# Allegro board com_v1_p3.brd (continued)
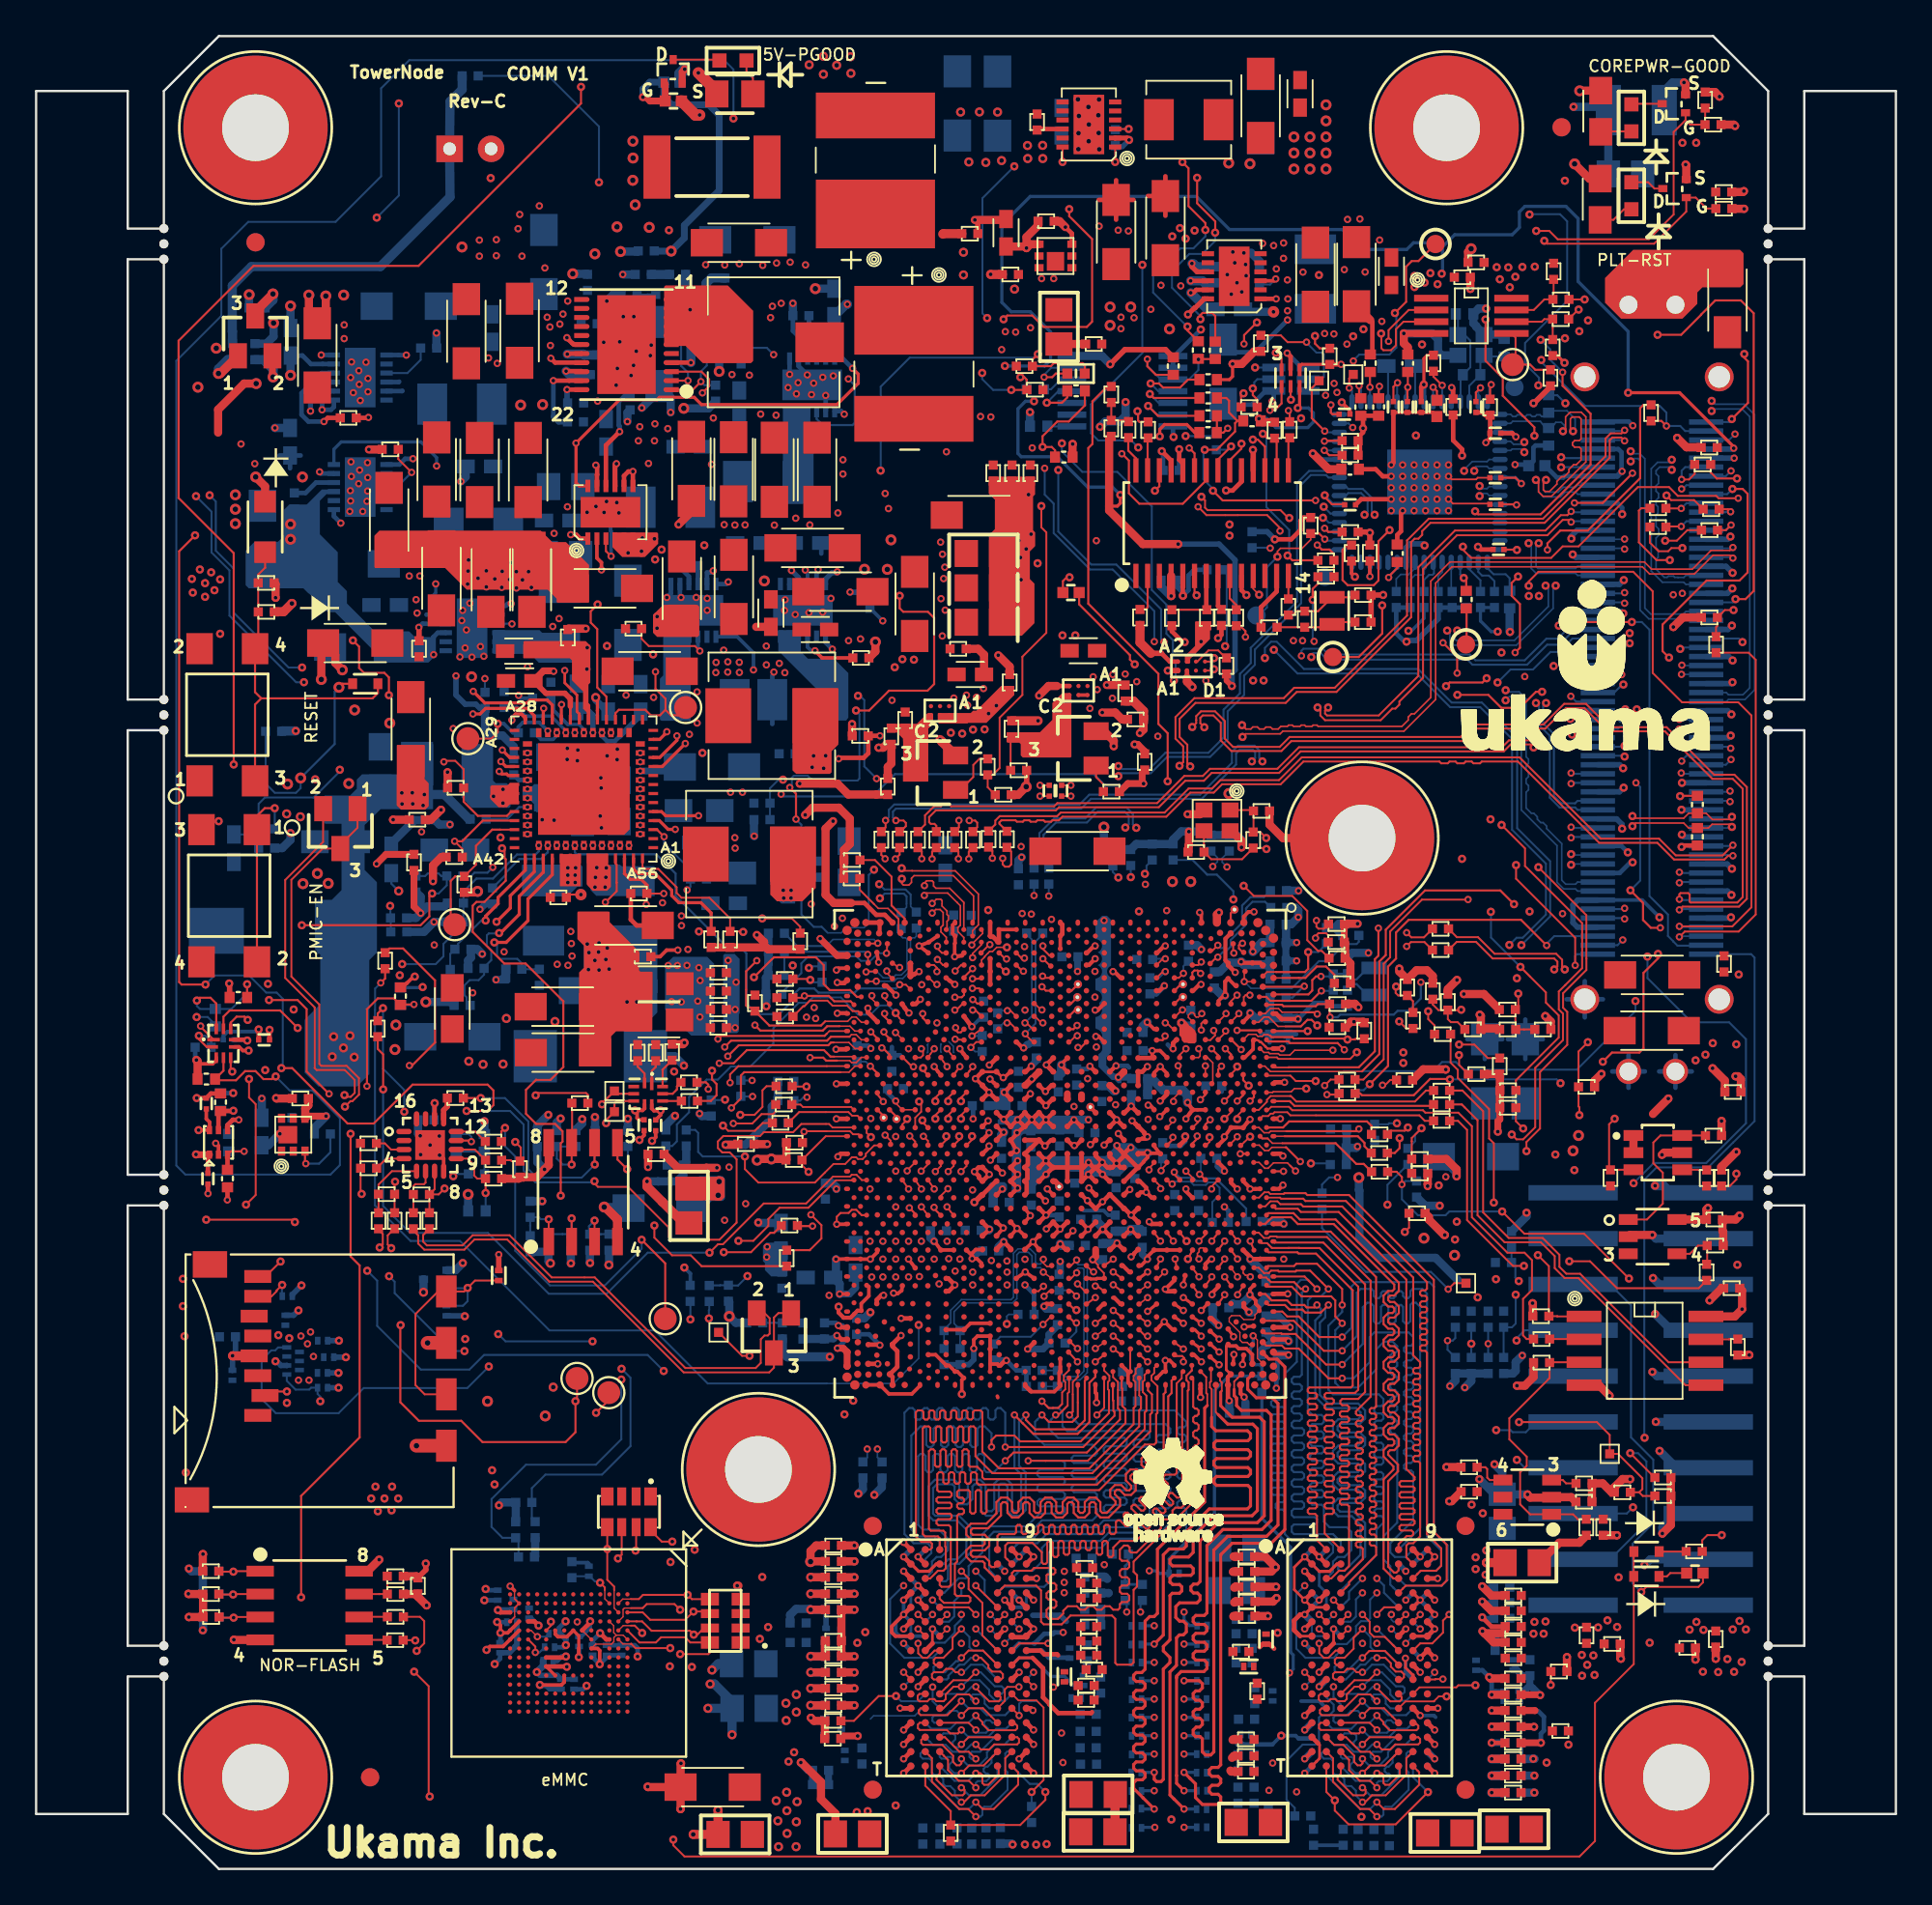
[diagram p0: board, top side]
## Placement (name value [footprint] x y rotation side) (continued)
C3N13  1UF  [SMC0402A]  48.07 43.25 90 bottom
C3N14  0.1UF  [SMC0402A]  55.12 40.91 180 bottom
C3N16  1UF  [SMC0402A]  53.49 40.28 180 bottom
C3N18  2.2UF  [SMC0402A]  55.15 37.69 180 bottom
C3N20  1UF  [SMC0402A]  43.74 37.13 0 bottom
C3N21  1UF  [SMC0402A]  53.93 36.95 90 bottom
C3N23  1UF  [SMC0402A]  50.45 35.38 90 bottom
C3N24  1UF  [SMC0402A]  51.49 35.4 270 bottom
C3N25  1UF  [SMC0402A]  41.33 32.19 0 bottom
C3N26  2.2UF  [SMC0603]  41.28 35.81 180 bottom
C3N27  2.2UF  [SMC0402A]  53.34 34.26 90 bottom
C3N28  22UF  [SMC0603]  42.65 32.79 270 bottom
C3N29  22UF  [SMC0603]  45.41 34.58 180 bottom
C3N30  0.1UF  [SMC0402A]  45.47 30.53 180 bottom
C3N31  0.1UF  [SMC0402A]  43.69 29.38 0 bottom
C4  0.1UFX  [SM_2_CAP-RES_0201_20H]  27.32 14.18 90 bottom
C4A10  1UF  [SMC0402A]  12.69 86.53 90 bottom
C4A11  1UF  [SMC0402A]  79.17 46.54 90 top
C4L4  10UF  [SMC0603]  14.1 85.41 180 bottom
C4L5  1UF  [SMC0402A]  30.55 88.39 180 bottom
C4L6  10UF  [SMC0603]  14.07 79.88 180 bottom
C4M2  10UF  [SMC1206]  15.71 72.34 270 bottom
C4M3  1UF  [SMC0402A]  14.31 75.39 0 bottom
C4M6  10UF  [SMC0805]  19.07 62.2 180 bottom
C4M7  10UF  [SMC1206]  19.85 67.73 90 bottom
C4M9  1UF  [SMC0402A]  26.47 60.65 0 bottom
C4M10  10UF  [SMC0805]  15.45 56.94 270 bottom
C4P5  47UF  [SMC1206]  67.86 95.93 0 bottom
C4P10  10UF  [SMC0603]  70.04 97.64 180 top
C4P18  10UF  [SMC0603]  56.81 97.62 180 bottom
C4P19  10UF  [SMC1206]  35.78 69.2 180 top
C4P21  0.1UF  [SMC0402A]  14.17 40.75 0 bottom
C4P23  1UF  [SMC0402A]  55.47 97.28 0 top
C4P24  22UF  [SMC0603]  12.5 40.12 0 bottom
C4P25  47UF  [SMC1206]  67.86 95.96 180 top
C5  0.1UFX  [SM_2_CAP-RES_0201_20H]  28.38 11.54 0 bottom
C6  0.1UFX  [SM_2_CAP-RES_0201_20H]  25.71 12.26 270 bottom
C7  0.1UFX  [SM_2_CAP-RES_0201_20H]  10.88 27.36 270 bottom
C18  1UFX_16V  [SMC0402A]  11.05 29.5 90 bottom
C27  0.1UFX  [SM_2_CAP-RES_0201_20H]  25.58 15.17 90 bottom
C31  0.1UFX  [SM_2_CAP-RES_0201_20H]  26.36 13.68 0 bottom
C34  0.1UFX  [SM_2_CAP-RES_0201_20H]  32.45 12.12 270 bottom
C37  0.1UFX  [SM_2_CAP-RES_0201_20H]  30.63 16.5 90 bottom
C39  0.1UFX  [SM_2_CAP-RES_0201_20H]  30.08 12.61 270 bottom
C42  0.1UFX  [SM_2_CAP-RES_0201_20H]  31.61 12.12 270 bottom
C69  0.1uF  [C0201]  33.69 41.23 270 top
C70  0.1uF  [C0201]  34.34 41.22 90 top
C91  0.1UFX  [SM_2_CAP-RES_0201_20H]  29.81 10.24 270 bottom
C92  0.1UFX  [SM_2_CAP-RES_0201_20H]  26.45 14.66 90 bottom
C129  1UFX_16V  [SMC0402A]  29.69 16.14 0 bottom
C134  0.1UFX  [SM_2_CAP-RES_0201_20H]  30.84 12.13 270 bottom
C139  0.1uF  [C0201]  10.67 45.97 0 bottom
C140  0.1uF  [C0201]  12.63 45.96 180 top
C151  0.1UFX  [SM_2_CAP-RES_0201_20H]  29.08 10.24 270 bottom
C164  10uF  [C0805]  45.24 1.94 0 top
C165  10uF  [C0805]  58.84 2.06 180 top
C167  0.1uF  [SMC0402A]  81.4 9.66 90 top
C168  0.1uF  [SMC0402A]  44.62 16.17 270 top
C169  0.1uF  [SMC0402A]  44.62 11.78 270 top
C170  0.1uF  [SMC0402A]  44.62 10.9 270 top
C171  0.1uF  [SMC0402A]  44.62 17.05 270 top
C172  0.1uF  [SMC0402A]  44.62 17.93 270 top
C175  0.1uF  [SMC0402A]  81.41 11.68 90 top
C176  0.1uF  [SMC0402A]  81.4 6.1 90 top
C177  0.1uF  [SMC0402A]  44.62 10.01 270 top
C180  0.1uF  [SMC0402A]  44.62 14.37 270 top
C181  10uF  [C0805]  82.35 16.98 180 top
C182  0.1uF  [SMC0402A]  58.19 11.05 90 top
C183  0.1uF  [SMC0402A]  57.89 12.63 90 top
C184  0.1uF  [SMC0402A]  81.4 10.56 90 top
C185  0.1uF  [SMC0402A]  81.4 5.17 90 top
C186  0.1uF  [SMC0402A]  57.9 15 90 top
C188  0.1uF  [SMC0402A]  57.89 15.85 90 top
C189  0.1uF  [SMC0402A]  44.62 9.07 270 top
C191  0.1uF  [SMC0402A]  57.89 13.43 90 top
C202  10uF  [C0805]  67.45 2.58 0 top
C203  10uF  [C0805]  58.85 4.13 180 top
C208  0.1uF  [SMC0402A]  81.4 4.23 90 top
C209  0.1uF  [SMC0402A]  67.53 17.32 270 top
C210  0.1uF  [SMC0402A]  81.41 12.56 90 top
C211  0.1uF  [SMC0402A]  81.4 8.78 90 top
C212  0.1uF  [SMC0402A]  67.53 16.48 270 top
C213  0.1uF  [SMC0402A]  67.54 15.64 270 top
C220  0.1uF  [SMC0402A]  57.66 16.69 90 top
C221  0.1uF  [SMC0402A]  81.41 13.44 90 top
C222  0.1uF  [SMC0402A]  81.4 7.89 90 top
C223  0.1uF  [SMC0402A]  57.89 11.84 90 top
C224  10uF  [C0805]  81.9 2.2 180 top
C228  0.1uF  [SMC0402A]  67.54 14.82 270 top
C230  0.1uF  [SMC0402A]  81.41 14.31 90 top
C231  0.1uF  [SMC0402A]  67.49 5.4 270 top
C232  0.1uF  [SMC0402A]  81.41 15.16 90 top
C233  0.1uF  [SMC0402A]  67.49 7.18 270 top
C234  0.1uF  [SMC0402A]  67.49 6.26 270 top
C235  0.1uF  [SMC0402A]  67.54 14.02 270 top
C236  0.1uF  [SMC0402A]  44.62 15.25 270 top
C243  10uF  [C0805]  39.51 8.9 0 bottom
C244  10uF  [C0805]  39.49 11.37 0 bottom
C248  0.1uF  [SMC0402A]  67.49 4.53 90 bottom
C249  0.1uF  [SMC0402A]  58.11 14.39 270 bottom
C250  0.1uF  [SMC0402A]  58.11 15.29 270 bottom
C252  0.1uF  [SMC0402A]  58.11 16.18 270 bottom
C253  0.1uF  [SMC0402A]  57.63 17.22 270 bottom
C256  0.1uF  [SMC0402A]  44.62 16.17 90 bottom
C257  0.1uF  [SMC0402A]  44.62 15.25 90 bottom
C258  0.1uF  [SMC0402A]  44.62 14.37 90 bottom
C259  0.1uF  [SMC0402A]  58.11 13.53 270 bottom
C262  0.1uF  [SMC0402A]  44.62 9.07 90 bottom
C264  10uF  [C0805]  66.54 17.78 0 bottom
C265  0.1uF  [SMC0402A]  43.92 5.47 90 bottom
C266  0.1uF  [SMC0402A]  44.62 11.78 90 bottom
C267  0.1uF  [SMC0402A]  44.62 10.01 90 bottom
C268  0.1uF  [SMC0402A]  44.59 7.22 270 top
C269  0.1uF  [SMC0402A]  44.62 12.65 270 top
C270  0.1uF  [SMC0402A]  44.62 10.9 90 bottom
C271  0.1uF  [SMC0402A]  43.91 4.68 90 bottom
C279  10uF  [C0805]  78.06 1.99 0 top
C280  10uF  [C0805]  66.51 15.43 0 bottom
C281  0.1uF  [SMC0402A]  68.28 3.42 180 bottom
C282  0.1uF  [SMC0402A]  67.49 3.64 90 bottom
C283  0.1uF  [SMC0402A]  57.86 7.62 270 bottom
C284  0.1uF  [SMC0402A]  57.86 8.57 270 bottom
C285  0.1uF  [SMC0402A]  57.86 6.71 270 bottom
C286  0.1uF  [SMC0402A]  57.88 5.81 270 bottom
C292  0.1uF  [SMC0402A]  80.77 15.62 270 bottom
C293  0.1uF  [SMC0402A]  80.77 14.76 270 bottom
C294  0.1uF  [SMC0402A]  80.77 13.89 270 bottom
C295  0.1uF  [SMC0402A]  81.4 6.99 270 bottom
C296  0.1uF  [SMC0402A]  81.4 6.1 270 bottom
C297  0.1uF  [SMC0402A]  67.39 13.04 90 bottom
C301  10uF  [C0805]  81.25 19.82 270 bottom
C308  0.1uF  [SMC0402A]  67.39 11.42 90 bottom
C309  0.1uF  [SMC0402A]  67.49 6.33 90 bottom
C310  0.1uF  [SMC0402A]  67.39 12.23 90 bottom
C311  0.1uF  [SMC0402A]  81.4 5.17 270 bottom
C313  0.1uF  [SMC0402A]  81.4 4.23 270 bottom
C314  0.1uF  [SMC0402A]  67.4 13.83 90 bottom
C315  0.1uF  [SMC0402A]  67.49 5.45 90 bottom
C324  47uF  [SMC1206]  35.71 4.54 90 top
C325  10uF  [C0805]  38.74 1.91 0 top
C342  0.1uF  [SMC0402A]  72.43 1.31 0 bottom
C343  0.1uF  [SMC0402A]  73.26 1.3 0 bottom
C344  0.1uF  [SMC0402A]  51.85 1.38 0 bottom
C345  0.1uF  [SMC0402A]  53.44 1.4 0 bottom
C346  0.1uF  [SMC0402A]  74.14 1.3 0 bottom
C347  0.1uF  [SMC0402A]  74.99 1.29 0 bottom
C348  0.1uF  [SMC0402A]  49.14 1.38 0 bottom
C349  0.1uF  [SMC0402A]  50.09 1.38 0 bottom
C350  0.1uF  [SMC0402A]  51.03 1.39 0 bottom
C351  0.1uF  [SMC0402A]  52.64 1.39 0 bottom
C352  0.1uF  [SMC0402A]  70.79 1.31 0 bottom
C1833  10NF  [SMC0402A]  47.94 53.01 180 bottom
C1918  0.1uF  [SMC0402A]  12.31 69.68 90 top
C1981  0.1uF  [SMC0402A]  77.38 52.11 90 top
C1982  0.1uF  [SMC0402A]  77.38 50.94 90 top
C1999  0.1uF  [SMC0402A]  47.85 56.61 180 top
C2000  0.1uF  [SMC0402A]  46.84 56.61 180 top
C2034  0.1uF  [SMC0402A]  93.08 92.04 90 top
C2036  0.1uF  [SMC0402A]  92.48 96.69 90 top
C2037  0.1uF  [SMC0402A]  86.22 20.35 270 top
C2038  0.1uF  [SMC0402A]  79.85 20.91 270 top
C2039  680pF  [SMC0402A]  79.85 22.27 270 top
C2040  1uF  [SMC0603]  10.96 57.34 180 bottom
C2130  15uF  [CC1210]  88.68 97.5 0 bottom
C2131  15uF  [CC0402]  83.16 77.79 0 bottom
C2132  15uF  [CC0402]  77.63 80.96 270 top
C2152  0.1uF  [SMC0402A]  27.77 40.04 0 bottom
C2153  10NF  [SMC0402A]  48.77 53.04 180 bottom
C2154  10NF  [SMC0402A]  55.3 55.48 180 bottom
C2155  10NF  [SMC0402A]  56.12 55.48 180 bottom
C2156  0.1uF  [SMC0402A]  53.8 56.63 180 top
C2157  0.1uF  [SMC0402A]  52.78 56.64 180 top
C2158  0.1uF  [SMC0402A]  92.56 36 90 top
C2159  0.1uF  [SMC0402A]  93.58 43.07 90 top
C4662  0.1uF  [SMC0402A]  21.16 15.25 180 top
C4671  1000PF  [SMC0402A]  20.91 37.39 90 top
C4672  1000PF  [SMC0402A]  18.98 37.4 90 top
C4745  0.1uF  [SMC0402A]  22.05 41.53 90 bottom
C4746  0.1uF  [SMC0402A]  60.53 17.45 90 bottom
C4747  0.1uF  [CC0402]  35.23 99.04 0 bottom
C4749  0.1uF  [SMC0402A]  59.05 84.53 270 top
C4750  0.1uF  [C0201]  9.52 38.26 270 top
C4751  0.1uF  [C0201]  9.43 42.43 90 top
C4752  SCCQ12E105PRB  [CAP_THR_0P6D]  24.06 95.35 0 bottom
CN1  112A-TAAR-R03_ATTEND  [MICROSD_ATTEND_NEW]  11.13 34.06 270 top
CR1L1  BAT54C  [SOT23]  12.14 84.98 0 top
D1  D5V0L2B3T  [SOT_P3_1_70X0_85_0_90MM]  22.12 32.69 270 bottom
D10089  PMEG3010ER,115  [SODFL3517X110N_NXP_AEE]  12.69 74.39 270 top
D10113  LED  [LED_LTST-C190]  88.4 92.75 90 top
D10115  LED  [LED_LTST-C190]  88.4 97.07 90 top
D10136  PMEG3002AEB  [SODFL1608X65N_AEE]  18.24 65.7 180 top
D10147  PMEG3002AEB  [SODFL1608X65N_AEE]  89.24 17.59 180 top
D10148  LED  [LED_LTST-C190]  38.62 100.25 180 top
D10149  PMEG3002AEB  [SODFL1608X65N_AEE]  89.23 16.22 180 top
J20  FX23-120P_COM  [CON_120P_44_00X9_20_13_15MM]  89.54 65.46 0 bottom
J3321  eJTAG Header  [CONN_20P_33_02X9_27_10_16MM]  88.92 26.05 0 bottom
L1D1  0.47UH  [SMI16_16AB]  63.87 96.97 0 top
L2A1  2.2UH  [SMI29_28]  40.87 84.63 0 top
L2B1  1.0UH  [SML28_28]  40.77 63.93 0 top
L2B2  1.0UH  [SML28_28]  39.52 56.26 0 top
L2L1  1UH  [SMI16_16AB]  70.89 88.13 270 bottom
L3M1  0.47UH  [SMI16_16AB]  40.54 76.91 180 bottom
L3M2  0.47UH  [SMI16_16AB]  35.16 75.48 0 bottom
L3M3  0.47UH  [SMI16_16AB]  29 69.35 90 bottom
L3M4  1UH  [SMI16_16AB]  42.45 64.82 180 bottom
L3M5  0.47UH  [SMI16_16AB]  37.06 64.82 0 bottom
L3M6  0.47UH  [SMI16_16AB]  33.12 53.11 270 bottom
L3M7  0.47UH  [SMI16_16AB]  28.12 53.11 270 bottom
L4L1  0.47UH  [SMI16_16AB]  23.6 81.2 0 bottom
L4M1  0.47UH  [SMI16_16AB]  24.51 74.31 0 bottom
L4M2  0.47UH  [SMI16_16AB]  22.84 61.21 0 bottom
MH1  Mounting_Hole  [MTG370_800]  12.16 5.08 0 top
MH2  Mounting_Hole  [MTG370_800]  78.16 96.52 0 top
MH3  Mounting_Hole  [MTG370_800]  12.16 96.52 0 top
MH4  Mounting_Hole  [MTG370_800]  90.9 5.08 0 top
MH5  Mounting_Hole  [MTG370_800]  40.03 22.14 0 top
MH6  Mounting_Hole  [MTG370_800]  73.48 57.14 0 top
NOREF  -  [unnamed]  95.98 11.52 0 top
NOREF#2  -  [unnamed#2]  46.36 4.39 0 top
NOREF#3  -  [unnamed]  7.08 38.48 0 top
NOREF#4  -  [unnamed]  7.08 89.23 0 top
NOREF#5  -  [unnamed]  95.98 37.63 0 top
NOREF#6  -  [unnamed]  7.08 36.78 0 top
NOREF#7  -  [unnamed]  95.98 63.12 0 top
NOREF#8  -  [#2]  41.7 43.45 0 top
NOREF#9  -  [unnamed]  95.98 12.37 0 top
NOREF#10  -  [#2]  0 98.55 0 top
NOREF#11  -  [unnamed]  95.98 90.08 0 top
NOREF#12  -  [unnamed#3]  18.51 5.08 0 top
NOREF#13  -  [#2]  12.16 5.08 0 top
NOREF#14  -  [unnamed]  95.98 36.78 0 top
NOREF#15  -  [unnamed]  95.98 64.82 0 top
NOREF#16  -  [unnamed]  95.98 63.97 0 top
NOREF#17  -  [#2]  7.08 98.55 0 top
NOREF#18  -  [unnamed]  95.98 89.23 0 top
NOREF#19  -  [unnamed#2]  79.21 4.39 0 top
NOREF#20  -  [#2]  10.13 0 90 top
NOREF#21  -  [unnamed]  7.08 64.82 0 top
NOREF#22  -  [unnamed]  7.08 90.08 0 top
NOREF#23  -  [unnamed#2]  79.21 19.01 0 top
NOREF#24  -  [unnamed]  7.08 12.37 0 top
NOREF#25  -  [unnamed]  95.98 10.67 0 top
NOREF#26  -  [unnamed]  7.08 11.52 0 top
NOREF#27  -  [unnamed#2]  46.36 19.01 0 top
NOREF#28  -  [unnamed]  7.08 63.97 0 top
NOREF#29  -  [#2]  12.16 96.52 0 top
NOREF#30  -  [unnamed#3]  84.53 96.55 0 top
NOREF#31  -  [unnamed]  95.98 90.93 0 top
NOREF#32  -  [unnamed]  7.08 37.63 0 top
NOREF#33  -  [unnamed]  7.08 10.67 0 top
NOREF#34  -  [unnamed]  95.98 38.48 0 top
NOREF#35  -  [unnamed#3]  12.16 90.17 0 top
NOREF#36  -  [unnamed]  7.08 63.12 0 top
NOREF#37  -  [#2]  12.16 5.08 90 top
NOREF#38  -  [unnamed]  7.08 90.93 0 top
NOREF#39  -  [unnamed#2]  46.36 19.01 180 bottom
NOREF#40  -  [unnamed#3]  18.51 5.08 180 bottom
NOREF#41  -  [unnamed#2]  46.36 4.39 180 bottom
NOREF#42  -  [unnamed#3]  84.53 96.55 180 bottom
NOREF#43  -  [unnamed#3]  12.16 90.17 180 bottom
NOREF#44  -  [unnamed#2]  79.21 4.39 180 bottom
NOREF#45  -  [unnamed#2]  79.21 19.01 180 bottom
NR4  100K  [CA_3_20X1_60_0_50MM]  32.85 19.8 270 top
NR5  100K  [CA_3_20X1_60_0_50MM]  38.19 13.75 180 top
Q1D1  FDMA507PZ  [MICROFET6_2X2_P65MM_EP]  14.25 40.7 0 top
Q2B1  MMBT3904  [SOT23]  49.85 60.77 90 top
Q2N1  FDG6301N  [SC70_6P]  69.54 82.58 0 bottom
Q3A1  FDMA507PZ  [MICROFET6_2X2_P65MM_EP]  56.49 89.41 90 top
Q3B1  MMBT3904  [SOT23]  57.64 62.12 90 top
Q40  MMBT3904  [SOT23]  40.89 29.71 180 top
Q41  MMBT3904  [SOT23]  16.86 57.67 180 top
Q135  DMG1012T-7  [SOT523_3P_1_70X0_85_0_90MM]  90.79 93.15 90 top
Q137  DMG1012T-7  [SOT523_3P_1_70X0_85_0_90MM]  90.75 97.85 90 top
Q138  DMG1012T-7  [SOT523_3P_1_70X0_85_0_90MM]  35.3 99.65 0 top
R1A1  2.2K  [SMC0402A]  79.53 30.91 180 bottom
R1A2  2.2K  [SMC0402A]  80.47 30.91 180 bottom
R1A3  10K  [SMC0402A]  26.58 20.32 270 bottom
R1A4  10K  [SMC0402A]  34.9 40.96 180 bottom
R1A5  10K  [SMC0402A]  81.32 30.91 180 bottom
R1A6  10K  [SMC0402A]  26.57 19.24 180 bottom
R1A7  10K  [SMC0402A]  81.32 28.35 180 bottom
R1A8  10K  [SMC0402A]  79.53 28.35 180 bottom
R1A9  10K  [SMC0402A]  80.47 28.35 180 bottom
R1A10  4.7K  [SMC0402A]  27.66 19.25 180 bottom
R1A11  10K  [SMC0402A]  26.73 17.29 270 bottom
R1A12  10K  [SMC0402A]  34.97 39.02 270 bottom
R1A14  2.2K  [SMC0402A]  78.65 30.91 180 bottom
R1A15  10K  [SMC0402A]  78.65 28.35 180 bottom
R1B2  66.5K  [SMC0402A]  20.07 78.69 270 top
R1B8  1.8K  [SMC0402A]  22.8 59.93 90 top
R1B14  1.8K  [SMC0402A]  22.73 56.09 90 top
R1B19  10K  [SMC0402A]  42.34 50.98 180 top
R1B23  1.8K  [SMC0402A]  41.58 40.26 90 top
R1B24  1.8K  [SMC0402A]  41.55 39.3 90 top
R1B29  1.8K  [SMC0402A]  32.79 40.94 180 bottom
R1B30  1.8K  [SMR0402A]  30.98 40.93 180 bottom
R1B31  1.8K  [SMR0402A]  54.32 83.3 90 top
R1B32  1.8K  [SMR0402A]  55.79 82 270 top
R1L1  1K  [SMC0402A]  10.88 84.56 180 bottom
R1L2  0  [SMC0402A]  12.13 84.55 180 bottom
R1L3  0  [SMR0402A]  24.5 99.4 90 bottom
R1N4  3.3K  [SMC0402A]  94.3 29.37 0 top
R1N17  3.3K  [SMC0402A]  83.83 30.64 270 top
R1P17  10K  [SMC0402A]  47.19 60.45 0 top
R1P28  10K  [SMC0402A]  20.94 55.35 180 top
R1P29  10K  [SMC0402A]  21.05 54.15 0 bottom
R1P30  10K  [SMC0402A]  27.61 62.98 90 bottom
R2A1  10K  [SMC0402A]  84.09 88.12 180 top
R2A3  10K  [SMC0402A]  84.04 84.78 0 top
R2A5  10K  [SMC0402A]  83.92 82.21 180 top
R2A13  0  [SMC0402A]  59.58 82.18 0 top
R2A14  0  [SMC0402A]  64.89 72.02 270 bottom
R2A15  0  [SMC0402A]  62.94 69.8 0 top
R2A16  0  [SMC0402A]  61.62 80.21 0 top
R2A17  10K  [SMC0402A]  59.58 79.41 180 top
R2A18  0  [SMC0402A]  92.8 77.86 270 top
R2A19  0  [SMR0402A]  72.2 42.99 90 top
R2A20  0  [SMR0402A]  72.2 43.76 90 top
R2A21  0  [SMR0402A]  19.34 49.9 180 top
R2A22  0  [SMR0402A]  18.93 46.13 180 top
R2A23  0  [SMR0402A]  72.21 42.99 270 bottom
R2A24  0  [SMR0402A]  89.49 81.16 0 top
R2A25  0  [SMR0402A]  23.96 38.53 270 bottom
R2B1  60.4K  [SMC0402A]  45.26 67.13 90 top
R2B2  53.6K  [SMC0402A]  33.55 68.75 270 top
R2B4  1K  [SMC0402A]  45.23 62.81 90 top
R2B6  20K  [SMC0402A]  47.39 62.34 180 top
R2B8  20K  [SMC0402A]  54.89 60.9 270 top
R2B10  1K  [SMC0402A]  52.73 60.65 180 top
R2B12  20K  [SMC0402A]  54.04 59.54 270 top
R2B15  0  [SMC0402A]  45.66 55.92 270 top
R2B19  0  [SMC0402A]  45.64 54.91 270 top
R2B22  100  [SMC0402A]  29.38 53.85 270 top
R2B25  73.2  [SMC0402A]  38.46 51.08 180 top
R2B27  73.2  [SMC0402A]  76.5 37.24 0 bottom
R2B29  73.2  [SMC0402A]  37.41 51.08 180 top
R2B31  100  [SMC0402A]  34.07 50.57 270 top
R2B32  10K  [SMC0402A]  41.05 49.33 90 top
R2B33  4.7K  [SMC0402A]  39.83 48.44 0 top
R2B34  4.7K  [SMC0402A]  41.05 48.29 90 top
R2B36  0  [SMC0402A]  29.46 68.7 0 top
R2B38  10K  [SMC0402A]  80.26 44.06 270 top
R2B39  10K  [SMC0402A]  81.1 44.06 180 top
R2B43  20K  [SMC0402A]  65.18 35.84 270 bottom
R2B44  20K  [SMC0402A]  64.54 39.39 270 bottom
R2B45  20K  [SMC0402A]  67.05 35.89 270 bottom
R2C1  4.7K  [SMC0402A]  41.05 47.25 90 top
R2C9  33  [SMC0402A]  41.88 42.37 270 top
R2C12  33  [SMC0402A]  41.69 41.36 270 top
R2C25  100K  [SMC0402A]  45.82 22.56 180 bottom
R2C26  100K  [SMC0402A]  46.88 22.56 180 bottom
R2L12  53.6K  [SMC0402A]  67.79 87.83 0 bottom
R2M24  10K  [SMR0402A]  80.81 70.81 180 bottom
R2M25  10K  [R0402]  73.41 81.04 90 top
R2M26  0  [SMR0402A]  71.03 72.54 90 top
R2M27  127E  [SMR0402A]  72.9 73.39 0 top
R2M28  10K  [SMR0402A]  76.14 69.92 0 bottom
R2M29  1M  [R0402]  79.55 82.83 0 bottom
R2M30  10K  [SMR0402A]  80.04 70.81 180 bottom
R2M31  150  [SMC0402A]  63.01 55.93 0 bottom
R2M32  47.5  [SMC0402A]  61.85 55.93 0 bottom
R2M33  150  [SMC0402A]  60.66 55.62 0 bottom
R2M34  4.02K  [SMC0402A]  59.67 55.59 0 bottom
R2M35  402  [SMC0402A]  55.78 51.88 90 bottom
R2M36  100K  [SMC0402A]  68.4 54.23 270 bottom
R2M37  10K  [SMR0402A]  78.53 80.59 180 top
R2M38  100K  [SMC0402A]  68.42 53.3 270 bottom
R2M39  100K  [SMC0402A]  61.88 50.41 90 bottom
R2M40  1.24K  [SMC0402A]  63.86 50.32 0 bottom
R2M41  100K  [SMC0402A]  61.72 49.4 180 bottom
R2M42  10K  [SMR0402A]  72.37 74.11 90 top
R2M43  10M  [SMC0402A]  71.88 48.72 0 bottom
R2M44  3.3K  [SMC0402A]  82.98 28.07 90 top
R2M45  1.24K  [SMC0402A]  63.98 47.6 180 bottom
R2M46  10K  [SMR0402A]  77.43 83.91 0 top
R2M47  10K  [SMR0402A]  78.47 69.92 0 bottom
R2M48  10K  [SMR0402A]  70.63 74.02 180 top
R2M49  10K  [R0402]  81.65 70.37 90 bottom
R2M50  10K  [SMR0402A]  73.91 73.39 0 top
R2M51  10K  [R0402]  73.93 83.47 270 top
R2M52  10K  [SMR0402A]  72.37 79.17 90 top
R2M53  10K  [R0402]  74.4 81.04 90 top
R2M54  10K  [SMR0402A]  73.26 78.37 270 top
R2M55  10K  [SMR0402A]  79.25 70.81 180 bottom
R2M56  10K  [SMR0402A]  75.37 69.92 0 bottom
R2M57  10K  [SMR0402A]  77.69 69.92 0 bottom
R2M58  10K  [SMR0402A]  76.91 70.81 180 bottom
R2M59  4.99K  [SMR0402A]  80.57 81.47 0 top
R2M60  0  [SMR0402A]  71.04 71.63 90 top
R2M61  10K  [SMR0402A]  67.38 74.13 180 bottom
R2N1  10K  [SMC0402A]  65.7 43.4 90 bottom
R2N2  10K  [SMC0402A]  74.17 40.39 0 bottom
R2N5  100  [SMC0402A]  62.43 39.37 0 bottom
R2N6  0  [SMC0402A]  76.02 39.94 180 bottom
R2N7  49.9  [SMC0402A]  72.6 39.05 90 bottom
R2N12  162  [SMC0402A]  57.02 29.15 90 bottom
R2N13  90.9  [SMC0402A]  56.59 26.75 0 bottom
R2N14  29.4  [SMC0402A]  53.04 29.1 180 bottom
R2N15  44.2  [SMC0402A]  55.76 26.75 90 bottom
R2N16  44.2  [SMC0402A]  55.76 27.63 90 bottom
R2N18  10K  [SMC0402A]  65.1 56.42 0 bottom
R2N19  10K  [SMC0402A]  66.12 56.42 0 bottom
R2N20  10K  [SMC0402A]  40.58 51.87 270 bottom
R2N21  10K  [SMC0402A]  40.57 49.53 270 bottom
R2N24  0  [SMC0402A]  41.01 43.39 90 top
R2N25  0  [SMC0402A]  67.67 81.04 270 top
R2N26  0  [SMR0402A]  43.55 50.04 180 bottom
R3A5  20K  [SMC0402A]  55.52 91.34 90 top
R3A17  0  [SMC0402A]  64.88 68.91 180 top
R3A18  10M  [SMC0402A]  70.3 68.83 180 top
R3A19  33  [SMC0402A]  65.4 79.56 180 bottom
R3A20  4.7K  [SMC0402A]  40.58 50.85 270 bottom
R3B3  20K  [SMC0402A]  61.43 61.81 0 top
R3B4  1K  [SMC0402A]  60.03 59.72 270 top
R3B5  1M  [SMC0402A]  67.45 57.48 0 top
R3B8  45.3  [SMC0402A]  72.41 51.75 270 bottom
R3B9  0  [SMC0402A]  76.3 47.48 0 top
R3B10  0  [SMC0402A]  72.54 50.49 270 top
R3B11  10K  [SMC0402A]  75.99 48.42 180 top
R3B12  1K  [SMC0402A]  72.51 52.38 270 top
R3B13  1K  [SMC0402A]  72.49 51.37 270 top
R3B14  45.3  [SMC0402A]  71.94 49.1 90 top
R3B15  1K  [SMC0402A]  89.7 21.7 90 top
R3B16  4.7K  [SMC0402A]  67.87 84.12 180 top
R3B17  10K  [SMC0402A]  71.67 47.94 90 top
R3B19  0  [SMC0402A]  29.69 42.45 90 top
R3B20  0  [SMC0402A]  92.29 74.21 90 top
R3B21  0  [SMC0402A]  89.43 74.38 90 top
R3B22  0  [SMC0402A]  92.57 33.51 0 top
R3B23  0  [SMC0402A]  92.57 38.75 0 top
R3C1  4.7K  [SMC0402A]  68.63 80.2 0 top
R3C5  1K  [SMC0402A]  73.6 46.02 180 top
R3C8  2.2K  [SMC0402A]  75.39 43.73 90 top
R3C10  20  [SMC0402A]  74 40.72 90 top
R3C12  16.9  [SMC0402A]  73.99 39.68 90 top
R3C14  4.7K  [SMC0402A]  77.12 39.35 270 top
R3C16  20  [SMC0402A]  74 38.65 90 top
R3C17  2.2K  [SMC0402A]  76.23 38.56 90 top
R3C18  10K  [SMC0402A]  86.36 43.35 270 top
R3C19  20K  [SMC0402A]  76.08 36.35 90 top
R3C20  10K  [SMC0402A]  82 42.2 270 top
R3L4  1K  [SMC0402A]  35.99 88.39 90 bottom
R3L6  0  [SMC0402A]  36.25 87.29 270 bottom
R3L7  1K  [SMC0402A]  34.34 87.28 270 bottom
R3L8  36K  [SMC0402A]  31.94 86.15 180 bottom
R3L9  200K  [SMC0402A]  30.21 85.66 270 bottom
R3L11  200K  [SMC0402A]  30.71 82.83 270 bottom
R3L12  73.2K  [SMC0402A]  37.15 83.87 0 bottom
R3L13  120K  [SMC0402A]  29.45 80.22 270 bottom
R3L14  1K  [SMC0402A]  29.45 81.26 270 bottom
R3L15  10K  [SMC0402A]  37.66 82.25 180 bottom
R3L16  60.4K  [SMC0402A]  39.07 84.32 180 bottom
R3M1  53.6K  [SMC0402A]  31.84 74.62 90 bottom
R3M4  100K  [SMC0402A]  40.67 59.08 90 bottom
R3M5  10K  [SMC0402A]  39.78 58.16 270 bottom
R3M7  100K  [SMC0402A]  27.89 49.87 180 bottom
R3M10  10K  [SMC0402A]  40.44 48.48 270 bottom
R3M11  0  [SMC0402A]  25.29 54.38 180 bottom
R3N6  49.9  [SMC0402A]  45.49 45.64 180 bottom
R3N7  402  [SMC0402A]  52.43 45.31 0 bottom
R3N8  402  [SMC0402A]  53.29 46.57 0 bottom
R3N14  402  [SMC0402A]  39.05 42.83 0 bottom
R3N15  49.9  [SMC0402A]  41.99 42.59 90 bottom
R3N16  49.9  [SMC0402A]  37.41 42.62 180 bottom
R3N20  49.9  [SMC0402A]  36.03 40.08 0 bottom
R3N24  0  [SMC0402A]  41.35 29.38 0 bottom
R3N25  4.7K  [SMC0402A]  40.27 30.27 90 bottom
R3N26  4.7K  [SMC0402A]  42.5 30.26 180 bottom
R3N27  90.9  [SMC0402A]  50.31 29.84 270 bottom
R3N28  44.2  [SMC0402A]  50.31 28.84 180 bottom
R3N29  44.2  [SMC0402A]  51.2 28.84 180 bottom
R3N30  23.2  [SMC0402A]  54.41 30.74 270 bottom
R4A12  1K  [SMC0402A]  81.99 46.54 270 top
R4A13  1K  [SMC0402A]  77.4 48.21 180 top
R4A14  9.1K  [SMC0402A]  81.09 47.64 90 top
R4A15  9.1K  [SMC0402A]  78.23 48.49 0 top
R4L2  53.6K  [SMC0402A]  21.31 84.31 270 bottom
R4M6  60.4K  [SMC0402A]  24.88 65.22 180 bottom
R4M9  0  [SMC0402A]  24.94 58.2 90 bottom
R4M12  0  [SMC0402A]  22.76 55.04 270 bottom
R4M14  10K  [SMC0402A]  22.79 53.54 270 bottom
R4M17  100K  [SMC0402A]  23.68 52.5 90 bottom
R4M18  10K  [SMC0402A]  24.1 50.98 90 bottom
R4M19  10K  [SMC0402A]  23.94 49.92 270 bottom
R4M20  100K  [SMC0402A]  22.95 49.86 180 bottom
R4M21  100K  [SMC0402A]  24.05 47.87 90 bottom
R4M22  10K  [SMC0402A]  26.03 49.88 270 bottom
R4M23  10K  [SMC0402A]  20.53 52.72 90 bottom
R4M24  100K  [SMC0402A]  19.66 51.95 270 bottom
R4P6  53.6K  [SMC0402A]  59.81 96.41 180 bottom
R4P11  20K  [SMC0402A]  15.42 40.74 270 bottom
R10  10K  [SM_2_CAP-RES_0201_20H]  15.88 29.28 0 bottom
R11  10K  [SM_2_CAP-RES_0201_20H]  16.22 28.37 0 bottom
R12  10K  [SM_2_CAP-RES_0201_20H]  15.87 27.5 0 bottom
R20  10K  [SM_2_CAP-RES_0201_20H]  13.92 31.75 0 bottom
R21  10K  [SM_2_CAP-RES_0201_20H]  13.81 30.41 90 bottom
R22  10K  [SM_2_CAP-RES_0201_20H]  15.88 26.68 0 bottom
R36  4.7K  [SM_2_CAP-RES_0201_20H]  28.45 12.29 180 bottom
R39  4.7K  [SM_2_CAP-RES_0201_20H]  28.7 13.04 180 bottom
R55  0 OHM  [SMC0402A]  93.08 13.19 0 top
R185  0R DNF  [SM_2_CAP-RES_0201_20H]  25.64 32.89 270 top
R211  1K  [SMR0402A]  9.7 45.55 90 bottom
R267  0.1uF  [SM_2_CAP-RES_0201_20H]  81.86 11.31 270 bottom
R268  20.0k  [SMC0402A]  82.78 10.71 0 bottom
R269  0.1uF  [SM_2_CAP-RES_0201_20H]  79.79 11.29 90 bottom
R270  20.0k  [SMC0402A]  80.85 12.11 0 bottom
R296  0.1uF  [SM_2_CAP-RES_0201_20H]  67.03 7.45 180 bottom
R297  0.1uF  [SM_2_CAP-RES_0201_20H]  68.52 9.59 270 bottom
R298  20.0k  [SMC0402A]  66.63 8.3 270 bottom
R299  20.0k  [SMC0402A]  67.53 9.16 0 bottom
R301  240.0  [SMC0402A]  69.75 2.94 270 bottom
R346  0.1uF  [SM_2_CAP-RES_0201_20H]  67.2 11.22 180 top
R350  20.0k  [SMC0402A]  66.32 12.04 90 top
R351  20.0k  [SMC0402A]  67.67 10.3 0 top
R352  0.1uF  [SM_2_CAP-RES_0201_20H]  68.15 12.74 270 top
R375  240.0  [SMC0402A]  83.94 10.95 90 top
R384  0  [SMC0402A]  67.92 26.43 0 bottom
R421  0.1uF  [SM_2_CAP-RES_0201_20H]  82.19 9.58 90 bottom
R422  0.1uF  [SM_2_CAP-RES_0201_20H]  81.37 9.57 270 bottom
R423  20.0k  [SMC0402A]  84.91 7.65 270 top
R424  20.0k  [SMC0402A]  82.28 6.99 270 top
R476  0.1uF  [SM_2_CAP-RES_0201_20H]  58.04 10.44 270 bottom
R480  0.1uF  [SM_2_CAP-RES_0201_20H]  57.27 11.96 270 bottom
R481  20.0k  [SMC0402A]  58.99 9.75 0 bottom
R482  20.0k  [SMC0402A]  58.25 11.53 0 bottom
R542  20.0k  [SMC0402A]  45.77 6.71 180 bottom
R546  0.1uF  [SM_2_CAP-RES_0201_20H]  44.62 7.47 90 bottom
R547  0.1uF  [SM_2_CAP-RES_0201_20H]  44.81 6.29 90 bottom
R548  20.0k  [SMC0402A]  43.7 8.25 180 bottom
R562  240.0  [SMC0402A]  44.6 8.21 270 top
R614  0.1uF  [SM_2_CAP-RES_0201_20H]  43.77 13.06 90 bottom
R615  0.1uF  [SM_2_CAP-RES_0201_20H]  44.61 13.02 270 bottom
R616  20.0k  [SMC0402A]  41.78 13.63 270 bottom
R617  20.0k  [SMC0402A]  42.67 12.55 90 bottom
R618  0  [R0402]  57.63 81.94 0 top
R619  0  [R0402]  65.34 84.18 90 top
R620  10K  [R0402]  56.95 78.26 0 top
R622  0  [R0402]  64.95 80.55 180 top
R623  0  [R0402]  64.95 81.54 180 top
R624  10K  [R0402]  64.95 82.56 0 top
R625  10K  [R0402]  64.94 79.62 0 top
R626  10K  [R0402]  67.38 80.27 180 top
R627  0  [EIA-0402]  57.63 82.89 0 top
R639  20.0k  [SMC0402A]  57.75 10.16 90 top
R640  0.1uF  [SM_2_CAP-RES_0201_20H]  57.64 9.47 0 bottom
R641  0.1uF  [SM_2_CAP-RES_0201_20H]  56.99 10.65 270 top
R642  20.0k  [SMC0402A]  58.63 9.37 270 top
R647  240.0  [SMC0402A]  55.17 3.46 180 bottom
R658  220  [SMC0402A]  50.68 1.55 180 top
R1352  100K  [SMC0402A]  9.24 16.51 90 top
R1353  100K  [SMC0402A]  9.25 13.97 90 top
R1354  100K  [SMC0402A]  9.24 15.24 90 top
R1355  10K  [SMC0402A]  10.13 16.5 90 bottom
R1356  10K  [SMC0402A]  10.14 13.97 90 bottom
R1357  10K  [SMC0402A]  10.13 15.24 90 bottom
R1358  10K  [SMC0402A]  20.35 15.24 270 top
R1359  100K  [SMC0402A]  19.46 16.23 90 top
R1360  0E  [SMC0402A]  19.45 12.68 90 top
R1361  0E  [SMC0402A]  19.47 13.98 90 top
R1750  0E  [SMC0402A]  20.91 36.37 0 top
R1751  0E  [SMC0402A]  21.8 36.37 0 top
R1752  0E  [SMC0402A]  18.98 36.37 0 top
R1753  0E  [SMC0402A]  19.87 36.37 0 top
R10373  10K  [SMC0402A]  13.2 71.29 270 top
R10375  0  [SMC0402A]  92.33 17.6 270 top
R10378  1K  [SMC0402A]  81.11 43.16 90 top
R10388  10K  [SMC0402A]  13.61 63.06 90 bottom
R10550  22  [SMC0402A]  41.59 34.3 0 top
R10551  22  [SMC0402A]  42.19 35.67 270 top
R10552  10K  [SMC0402A]  38.36 32.36 180 bottom
R10557  20K  [SMC0402A]  81.76 34.45 0 bottom
R10603  0  [SMC0402A]  69.39 69.51 180 top
R10605  0  [SMC0402A]  60.53 80.23 0 top
R10606  0  [SMC0402A]  61.17 68.93 180 top
R10607  0  [SMC0402A]  66.51 68.91 180 top
R10608  0  [SMC0402A]  69.47 80.22 0 top
R10609  0  [SMC0402A]  68.77 68.83 270 top
R10610  0  [SMC0402A]  65.68 68.93 180 top
R10709  10K  [SMC0402A]  33.37 89.69 270 bottom
R10762  22  [SMC0402A]  77.44 43.15 90 top
R10763  22  [SMC0402A]  77.44 42.38 90 top
R10764  22  [SMC0402A]  82.98 29.37 90 top
R10765  22  [SMC0402A]  77.44 41.47 90 top
R10781  120  [SMC0805]  86.67 93.7 0 top
R10782  100K  [SMC0402A]  93.96 92.96 270 top
R10787  120  [SMC0805]  86.7 98.58 0 top
R10788  100K  [SMC0402A]  92.49 98.5 0 top
R10803  10K  [SMC0402A]  86.22 21.37 270 top
R10805  100K  [SMC0402A]  85.9 18.5 180 top
R10806  100E  [SMC0603]  19.68 55.2 0 bottom
R10809  10K  [SMC0402A]  13.22 56.59 90 bottom
R10811  20K  [SMC0402A]  80.87 33.62 270 bottom
R11021  0  [SMC0402A]  71.26 36.57 0 bottom
R11022  0  [SMC0402A]  78.38 46.27 270 top
R11023  10K  [SMC0402A]  87.46 20.88 90 top
R11024  10K  [SMC0402A]  89.7 20.67 90 top
R11130  127E  [SMC0402A]  65.96 67.13 0 top
R11131  127E  [SMC0402A]  71.69 83.4 180 top
R11132  10E  [SMC0402A]  84.04 85.91 90 top
R11133  10E  [SMC0402A]  84.05 87 90 top
R11144  10K  [SMC0402A]  23.73 54.13 180 top
R11145  0E  [RC2512]  37.46 94.34 180 top
R11154  10K  [SMC0402A]  37.15 54.88 90 bottom
R11155  100K  [SMC0402A]  32.95 54.07 90 top
R11156  0  [SMC0402A]  36.62 43.6 270 top
R11157  0  [SMC0402A]  36.65 42.57 270 top
R11160  100K  [SMC0402A]  29.63 34.3 0 bottom
R11161  100K  [SMC0402A]  30.68 34.29 0 bottom
R11162  10K  [SMC0402A]  28.4 35.19 180 bottom
R11163  10K  [SMC0402A]  31.75 35.19 180 bottom
R11165  22  [SMC0402A]  36.25 32.35 180 bottom
R11166  22  [SMC0402A]  37.3 32.34 180 bottom
R11221  100K  [SMC0402A]  29.91 40.04 0 bottom
R11222  10K  [SMC0402A]  28.85 40.93 180 bottom
R11223  100K  [SMC0402A]  27.38 37.01 180 bottom
R11224  10K  [SMC0402A]  27.38 35.1 180 bottom
R11231  0  [SMC0402A]  12.33 57.65 270 bottom
R11232  36E  [SM_2_CAP-RES_0201_20H]  60.98 10.44 180 bottom
R11233  36E  [SM_2_CAP-RES_0201_20H]  64.59 2.31 0 bottom
R11234  36E  [SM_2_CAP-RES_0201_20H]  64.58 3.31 0 bottom
R11235  36E  [SM_2_CAP-RES_0201_20H]  64.61 7.39 0 bottom
R11236  36E  [SM_2_CAP-RES_0201_20H]  64.58 5.34 0 bottom
R11237  36E  [SM_2_CAP-RES_0201_20H]  60.97 4.32 180 bottom
R11238  36E  [SM_2_CAP-RES_0201_20H]  60.98 6.35 180 bottom
R11239  36E  [SM_2_CAP-RES_0201_20H]  64.58 9.41 0 bottom
R11240  36E  [SM_2_CAP-RES_0201_20H]  64.61 13.49 0 bottom
R11241  36E  [SM_2_CAP-RES_0201_20H]  64.61 11.45 0 bottom
R11242  36E  [SM_2_CAP-RES_0201_20H]  63.06 16.38 0 bottom
R11243  36E  [SM_2_CAP-RES_0201_20H]  60.97 8.39 180 bottom
R11244  36E  [SM_2_CAP-RES_0201_20H]  64.6 4.34 0 bottom
R11245  36E  [SM_2_CAP-RES_0201_20H]  64.59 6.37 0 bottom
R11246  36E  [SM_2_CAP-RES_0201_20H]  60.98 7.38 180 bottom
R11247  36E  [SM_2_CAP-RES_0201_20H]  64.59 8.4 0 bottom
R11248  36E  [SM_2_CAP-RES_0201_20H]  64.6 10.42 0 bottom
R11249  36E  [SM_2_CAP-RES_0201_20H]  60.98 9.41 180 bottom
R11250  36E  [SM_2_CAP-RES_0201_20H]  60.96 13.47 180 bottom
R11251  36E  [SM_2_CAP-RES_0201_20H]  60.98 11.44 180 bottom
R11252  36E  [SM_2_CAP-RES_0201_20H]  64.6 12.47 0 bottom
R11253  36E  [SM_2_CAP-RES_0201_20H]  60.96 12.44 180 bottom
R11254  36E  [SM_2_CAP-RES_0201_20H]  60.97 3.35 180 bottom
R11255  36E  [SM_2_CAP-RES_0201_20H]  60.98 2.27 180 bottom
R11256  0E  [SMC0402A]  24.89 40.32 90 top
R11257  36E  [SM_2_CAP-RES_0201_20H]  60.96 5.34 180 bottom
R11259  22  [SMC0402A]  92.38 75.38 90 top
R11260  22  [SMC0402A]  89.43 75.43 90 top
R11261  10K  [SM_2_CAP-RES_0201_20H]  22.73 30.94 270 bottom
R11262  10K  [SMC0402A]  93.09 67.42 180 top
R11263  10K  [SMC0402A]  93.17 69.37 270 top
R11264  10K  [SMC0402A]  87.24 37.86 180 top
R11265  10K  [SMC0402A]  93.4 40.65 270 top
R11266  10K  [SMC0402A]  92.6 34.55 90 top
R11267  10K  [SMC0402A]  93.4 37.86 180 top
R11274  10K  [SMC0402A]  86.84 18.5 180 top
R11275  10K  [SMC0402A]  26.81 38.35 180 top
R11276  49.9  [R0402]  83.81 79.39 270 bottom
R11277  49.9  [R0402]  92.06 57.22 270 top
R11278  49.9  [R0402]  83.81 81.21 90 bottom
R11279  49.9  [R0402]  92.06 59 90 top
R11280  0E  [R0402]  79.25 70.36 90 top
R11374  0E  [SMC0402A]  22.79 42.73 90 top
R11375  0E  [SMC0402A]  24.91 39.29 90 top
R11376  10K  [SMC0402A]  24.91 38.27 90 top
R11377  0E  [SMC0402A]  17.98 38.84 90 top
R11378  0E  [SMC0402A]  17.97 40.22 90 top
R11379  34E  [SMR0402A]  61.3 14.88 0 bottom
R11380  34E  [SMR0402A]  60.35 14.88 0 bottom
R11381  120  [RC0805]  38.72 98.39 0 top
R11382  100K  [RC0402]  35.31 98 180 top
R11439  1K  [SMR0402A]  35.24 44.83 180 top
R11440  1K  [SMR0402A]  33.34 44.8 180 top
R11441  1K  [SMR0402A]  34.34 45.69 0 top
R11486  0 OHM  [SMC0402A]  85.92 12.51 180 top
R11487  0  [RC0402]  91.92 16.4 180 top
R11490  0  [EIA-0402]  55.37 82.02 180 bottom
R11491  10K  [R0402]  55.56 79.97 180 bottom
R11492  10K  [R0402]  10.22 42.52 270 bottom
R11493  0ohm  [R0402]  10.67 40.26 270 bottom
R11494  10K  [R0402]  10.22 42.5 90 top
R11495  10K  [R0402]  10.61 38.27 270 top
R11497  10K  [R0402]  20.19 48.37 90 bottom
R11498  10K  [R0402]  20.19 48.38 270 top
R11499  10K  [R0402]  11.21 48.31 180 top
R11500  10K  [R0402]  9.93 47.19 90 bottom
R11501  0  [RC0402]  57.35 70.75 0 top
R11502  0  [R0402]  64.4 84.2 90 top
R11503  10K  [R0402]  63.02 83.31 90 top
R11504  10K  [R0402]  24.43 36.48 180 bottom
R11505  0E  [R0402]  23.28 40.25 270 bottom
R11506  10K  [R0402]  9.43 43.78 0 top
